# Altium PCB Altium.pcbdoc (part 2 of 2)
Units mil, origin at the board's own origin, x right, y up, seen from the top; angles counter-clockwise.
Board outline 3937.01 x 2047.24 mil, 2 copper layers (Top Layer, Bottom Layer), stack 62.206 mil thick; 34 components, 26 nets, 163 pads, 100 vias.
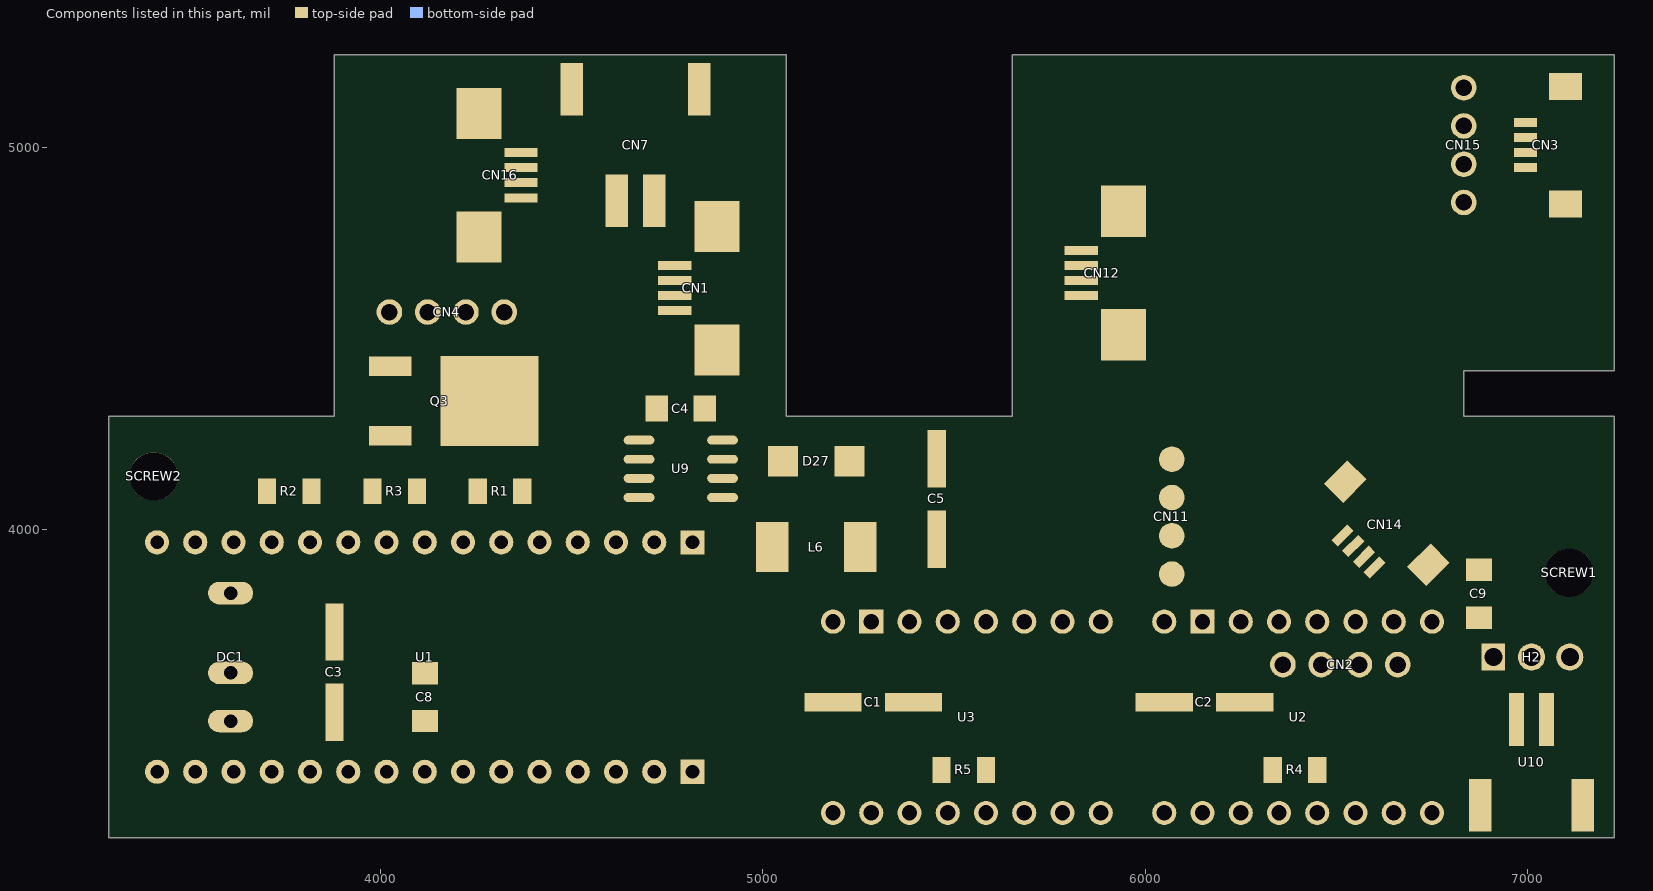
[diagram p2: the components of this part, seen from the top]

## Other copper (continued)
Bottom Layer:
  region net D8/EN: 3854.16,3944.19 3840.02,3930.05 3838.65,3931.31 3837.27,3932.37 3835.87,3933.25 3834.45,3933.96 3831.55,3934.96 3828.53,3935.52 3825.38,3935.76 3822.05,3935.83 3814.8,3936.01 3848.21,3969.41 3848.38,3962.16 3848.45,3958.84 3848.7,3955.68 3849.25,3952.66 3850.25,3949.76 3850.97,3948.34 3851.84,3946.94 3852.9,3945.56
  region net D8/EN: 3806.77,4010.32 3826.77,4010.32 3826.85,4008.46 3827.08,4006.73 3827.45,4005.12 3827.94,4003.62 3829.29,4000.86 3831.03,3998.33 3833.09,3995.93 3835.39,3993.53 3840.39,3988.27 3793.15,3988.27 3798.15,3993.53 3800.45,3995.93 3802.51,3998.33 3804.26,4000.86 3805.6,4003.62 3806.1,4005.12 3806.47,4006.73 3806.69,4008.46
  region net D6/Y-DIR: 4052.68,3936.4 4031.59,3929.21 4028.77,3931.68 4026.14,3933.33 4023.59,3934.37 4021.01,3934.98 4015.34,3935.72 4012.04,3936.23 4008.3,3937.11 4047.93,3962.83 4047.45,3959.26 4047.13,3955.66 4047.04,3952.1 4047.25,3948.6 4047.84,3945.24 4048.9,3942.05 4049.62,3940.54 4050.48,3939.09 4051.5,3937.71
  region net D5/X-DIR: 4154.16,3944.19 4140.02,3930.05 4138.65,3931.31 4137.27,3932.37 4135.87,3933.25 4134.45,3933.96 4131.55,3934.96 4128.53,3935.52 4125.38,3935.76 4122.05,3935.83 4114.8,3936.01 4148.21,3969.41 4148.38,3962.16 4148.45,3958.84 4148.7,3955.68 4149.25,3952.66 4150.25,3949.76 4150.97,3948.34 4151.84,3946.94 4152.9,3945.56
  region net 5V: 6240.24,3302.84 6260.24,3302.84 6260.31,3300.98 6260.54,3299.25 6260.91,3297.64 6261.41,3296.14 6262.75,3293.38 6264.49,3290.85 6266.56,3288.45 6268.86,3286.05 6273.86,3280.79 6226.61,3280.79 6231.62,3286.05 6233.92,3288.45 6235.98,3290.85 6237.72,3293.38 6239.07,3296.14 6239.56,3297.64 6239.93,3299.25 6240.16,3300.98
  region net 5V: 6687.63,3736.71 6673.49,3722.57 6672.12,3723.83 6670.73,3724.89 6669.34,3725.77 6667.92,3726.48 6665.02,3727.48 6662,3728.04 6658.84,3728.28 6655.52,3728.35 6648.26,3728.53 6681.67,3761.93 6681.85,3754.68 6681.92,3751.36 6682.16,3748.2 6682.71,3745.18 6683.72,3742.28 6684.43,3740.86 6685.31,3739.46 6686.37,3738.08
  region net $1N39467: 6540.24,3802.84 6560.24,3802.84 6560.31,3800.98 6560.54,3799.25 6560.91,3797.64 6561.41,3796.14 6562.75,3793.38 6564.49,3790.85 6566.56,3788.45 6568.86,3786.05 6573.86,3780.79 6526.61,3780.79 6531.62,3786.05 6533.92,3788.45 6535.98,3790.85 6537.72,3793.38 6539.07,3796.14 6539.56,3797.64 6539.93,3799.25 6540.16,3800.98
  region net $1N39467: 6587.37,3735 6571.75,3722.34 6570.37,3723.61 6568.98,3724.69 6567.6,3725.57 6566.21,3726.29 6563.37,3727.29 6560.44,3727.85 6557.37,3728.11 6554.11,3728.23 6550.63,3728.36 6546.88,3728.64 6581.73,3760.54 6581.68,3753.28 6581.7,3749.9 6581.93,3746.66 6582.48,3743.56 6583.49,3740.59 6584.2,3739.15 6585.07,3737.74 6586.12,3736.36
  region net $1N39468: 6440.24,3802.84 6460.24,3802.84 6460.31,3800.98 6460.54,3799.25 6460.91,3797.64 6461.41,3796.14 6462.75,3793.38 6464.49,3790.85 6466.56,3788.45 6468.86,3786.05 6473.86,3780.79 6426.61,3780.79 6431.62,3786.05 6433.92,3788.45 6435.98,3790.85 6437.72,3793.38 6439.07,3796.14 6439.56,3797.64 6439.93,3799.25 6440.16,3800.98
  region net $1N39468: 6487.37,3735 6471.75,3722.34 6470.37,3723.61 6468.98,3724.69 6467.6,3725.57 6466.21,3726.29 6463.37,3727.29 6460.44,3727.85 6457.37,3728.11 6454.11,3728.23 6450.63,3728.36 6446.88,3728.64 6481.73,3760.54 6481.68,3753.28 6481.7,3749.9 6481.93,3746.66 6482.48,3743.56 6483.49,3740.59 6484.2,3739.15 6485.07,3737.74 6486.12,3736.36
  region net $1N39470: 6340.24,3802.84 6360.24,3802.84 6360.31,3800.98 6360.54,3799.25 6360.91,3797.64 6361.41,3796.14 6362.75,3793.38 6364.49,3790.85 6366.56,3788.45 6368.86,3786.05 6373.86,3780.79 6326.61,3780.79 6331.62,3786.05 6333.92,3788.45 6335.98,3790.85 6337.72,3793.38 6339.07,3796.14 6339.56,3797.64 6339.93,3799.25 6340.16,3800.98
  region net $1N39470: 6387.37,3735 6371.75,3722.34 6370.37,3723.61 6368.98,3724.69 6367.6,3725.57 6366.21,3726.29 6363.37,3727.29 6360.44,3727.85 6357.37,3728.11 6354.11,3728.23 6350.63,3728.36 6346.88,3728.64 6381.73,3760.54 6381.68,3753.28 6381.7,3749.9 6381.93,3746.66 6382.48,3743.56 6383.49,3740.59 6384.2,3739.15 6385.07,3737.74 6386.12,3736.36
  region net $1N39469: 6240.24,3802.84 6260.24,3802.84 6260.31,3800.98 6260.54,3799.25 6260.91,3797.64 6261.41,3796.14 6262.75,3793.38 6264.49,3790.85 6266.56,3788.45 6268.86,3786.05 6273.86,3780.79 6226.61,3780.79 6231.62,3786.05 6233.92,3788.45 6235.98,3790.85 6237.72,3793.38 6239.07,3796.14 6239.56,3797.64 6239.93,3799.25 6240.16,3800.98
  region net $1N39469: 6287.37,3735 6271.75,3722.34 6270.37,3723.61 6268.98,3724.69 6267.6,3725.57 6266.21,3726.29 6263.37,3727.29 6260.44,3727.85 6257.37,3728.11 6254.11,3728.23 6250.63,3728.36 6246.88,3728.64 6281.73,3760.54 6281.68,3753.28 6281.7,3749.9 6281.93,3746.66 6282.48,3743.56 6283.49,3740.59 6284.2,3739.15 6285.07,3737.74 6286.12,3736.36
  region net 5V: 5374.09,3302.84 5394.09,3302.84 5394.17,3300.98 5394.4,3299.25 5394.77,3297.64 5395.27,3296.14 5396.61,3293.38 5398.35,3290.85 5400.41,3288.45 5402.71,3286.05 5407.72,3280.79 5360.47,3280.79 5365.47,3286.05 5367.78,3288.45 5369.84,3290.85 5371.58,3293.38 5372.92,3296.14 5373.42,3297.64 5373.79,3299.25 5374.02,3300.98
  region net D8/EN: 5207.34,3297.35 5221.49,3283.21 5220.23,3281.84 5219.17,3280.46 5218.29,3279.06 5217.57,3277.64 5216.57,3274.74 5216.02,3271.72 5215.78,3268.57 5215.71,3265.24 5215.53,3257.99 5182.12,3291.39 5189.37,3291.57 5192.7,3291.64 5195.86,3291.88 5198.87,3292.44 5201.78,3293.44 5203.19,3294.15 5204.59,3295.03 5205.97,3296.09
  region net D8/EN: 5146.7,3283.21 5160.84,3297.35 5162.22,3296.09 5163.6,3295.03 5165,3294.15 5166.41,3293.44 5169.32,3292.44 5172.33,3291.88 5175.49,3291.64 5178.81,3291.57 5186.07,3291.39 5152.66,3257.99 5152.48,3265.24 5152.41,3268.57 5152.17,3271.72 5151.62,3274.74 5150.61,3277.64 5149.9,3279.06 5149.02,3280.46 5147.96,3281.84
  region net 5V: 5821.49,3736.71 5807.34,3722.57 5805.97,3723.83 5804.59,3724.89 5803.19,3725.77 5801.78,3726.48 5798.87,3727.48 5795.86,3728.04 5792.7,3728.28 5789.37,3728.35 5782.12,3728.53 5815.53,3761.93 5815.71,3754.68 5815.78,3751.36 5816.02,3748.2 5816.57,3745.18 5817.57,3742.28 5818.29,3740.86 5819.17,3739.46 5820.23,3738.08
  region net $1N38618: 5674.09,3802.84 5694.09,3802.84 5694.17,3800.98 5694.4,3799.25 5694.77,3797.64 5695.27,3796.14 5696.61,3793.38 5698.35,3790.85 5700.41,3788.45 5702.71,3786.05 5707.72,3780.79 5660.47,3780.79 5665.47,3786.05 5667.78,3788.45 5669.84,3790.85 5671.58,3793.38 5672.92,3796.14 5673.42,3797.64 5673.79,3799.25 5674.02,3800.98
  region net $1N38619: 5574.09,3802.84 5594.09,3802.84 5594.17,3800.98 5594.4,3799.25 5594.77,3797.64 5595.27,3796.14 5596.61,3793.38 5598.35,3790.85 5600.41,3788.45 5602.71,3786.05 5607.72,3780.79 5560.47,3780.79 5565.47,3786.05 5567.78,3788.45 5569.84,3790.85 5571.58,3793.38 5572.92,3796.14 5573.42,3797.64 5573.79,3799.25 5574.02,3800.98
  region net $1N38620: 5474.09,3802.84 5494.09,3802.84 5494.17,3800.98 5494.4,3799.25 5494.77,3797.64 5495.27,3796.14 5496.61,3793.38 5498.35,3790.85 5500.41,3788.45 5502.71,3786.05 5507.72,3780.79 5460.47,3780.79 5465.47,3786.05 5467.78,3788.45 5469.84,3790.85 5471.58,3793.38 5472.92,3796.14 5473.42,3797.64 5473.79,3799.25 5474.02,3800.98
  region net $1N38622: 5374.09,3802.84 5394.09,3802.84 5394.17,3800.98 5394.4,3799.25 5394.77,3797.64 5395.27,3796.14 5396.61,3793.38 5398.35,3790.85 5400.41,3788.45 5402.71,3786.05 5407.72,3780.79 5360.47,3780.79 5365.47,3786.05 5367.78,3788.45 5369.84,3790.85 5371.58,3793.38 5372.92,3796.14 5373.42,3797.64 5373.79,3799.25 5374.02,3800.98
  region net $1N39469: 6321.19,3672.9 6335.33,3687.04 6336.84,3685.65 6338.35,3684.5 6339.86,3683.56 6341.39,3682.82 6342.93,3682.24 6344.49,3681.82 6347.7,3681.34 6351.07,3681.2 6354.64,3681.24 6358.46,3681.28 6362.57,3681.15 6327.07,3645.66 6326.95,3649.77 6326.99,3653.59 6327.02,3657.16 6326.89,3660.53 6326.41,3663.74 6325.98,3665.3 6325.41,3666.84 6324.66,3668.37 6323.73,3669.88 6322.57,3671.39
  region net $1N39470: 6421.19,3672.9 6435.33,3687.04 6436.84,3685.65 6438.35,3684.5 6439.86,3683.56 6441.39,3682.82 6442.93,3682.24 6444.49,3681.82 6447.7,3681.34 6451.07,3681.2 6454.64,3681.24 6458.46,3681.28 6462.57,3681.15 6427.07,3645.66 6426.95,3649.77 6426.99,3653.59 6427.02,3657.16 6426.89,3660.53 6426.41,3663.74 6425.98,3665.3 6425.41,3666.84 6424.66,3668.37 6423.73,3669.88 6422.57,3671.39
  region net $1N39468: 6521.19,3672.9 6535.33,3687.04 6536.84,3685.65 6538.35,3684.5 6539.86,3683.56 6541.39,3682.82 6542.93,3682.24 6544.49,3681.82 6547.7,3681.34 6551.07,3681.2 6554.64,3681.24 6558.46,3681.28 6562.57,3681.15 6527.07,3645.66 6526.95,3649.77 6526.99,3653.59 6527.02,3657.16 6526.89,3660.53 6526.41,3663.74 6525.98,3665.3 6525.41,3666.84 6524.66,3668.37 6523.73,3669.88 6522.57,3671.39
  region net $1N39467: 6621.19,3672.9 6635.33,3687.04 6636.84,3685.65 6638.35,3684.5 6639.86,3683.56 6641.39,3682.82 6642.93,3682.24 6644.49,3681.82 6647.7,3681.34 6651.07,3681.2 6654.64,3681.24 6658.46,3681.28 6662.57,3681.15 6627.07,3645.66 6626.95,3649.77 6626.99,3653.59 6627.02,3657.16 6626.89,3660.53 6626.41,3663.74 6625.98,3665.3 6625.41,3666.84 6624.66,3668.37 6623.73,3669.88 6622.57,3671.39
  region net $1N38622: 3985.08,4594.59 3999.23,4608.74 4000.74,4607.35 4002.25,4606.19 4003.76,4605.26 4005.28,4604.51 4006.83,4603.94 4008.39,4603.51 4011.6,4603.03 4014.97,4602.9 4018.54,4602.93 4022.36,4602.97 4026.47,4602.85 3990.97,4567.35 3990.84,4571.46 3990.88,4575.28 3990.92,4578.85 3990.79,4582.22 3990.3,4585.43 3989.88,4586.99 3989.31,4588.53 3988.56,4590.06 3987.62,4591.57 3986.47,4593.08
  region net $1N38622: 4063.66,4544.3 4049.51,4530.16 4048,4531.55 4046.49,4532.7 4044.98,4533.64 4043.46,4534.39 4041.91,4534.96 4040.35,4535.38 4037.14,4535.86 4033.77,4536 4030.2,4535.96 4026.38,4535.92 4022.27,4536.05 4057.77,4571.54 4057.9,4567.43 4057.86,4563.62 4057.82,4560.05 4057.95,4556.68 4058.44,4553.47 4058.86,4551.9 4059.43,4550.36 4060.18,4548.84 4061.12,4547.32 4062.27,4545.81
  region net $1N38620: 4085.08,4594.59 4099.23,4608.74 4100.74,4607.35 4102.25,4606.19 4103.76,4605.26 4105.28,4604.51 4106.83,4603.94 4108.39,4603.51 4111.6,4603.03 4114.97,4602.9 4118.54,4602.93 4122.36,4602.97 4126.47,4602.85 4090.97,4567.35 4090.84,4571.46 4090.88,4575.28 4090.92,4578.85 4090.79,4582.22 4090.3,4585.43 4089.88,4586.99 4089.31,4588.53 4088.56,4590.06 4087.62,4591.57 4086.47,4593.08
  region net $1N38620: 4163.66,4544.3 4149.51,4530.16 4148,4531.55 4146.49,4532.7 4144.98,4533.64 4143.46,4534.39 4141.91,4534.96 4140.35,4535.38 4137.14,4535.86 4133.77,4536 4130.2,4535.96 4126.38,4535.92 4122.27,4536.05 4157.77,4571.54 4157.9,4567.43 4157.86,4563.62 4157.82,4560.05 4157.95,4556.68 4158.44,4553.47 4158.86,4551.9 4159.43,4550.36 4160.18,4548.84 4161.12,4547.32 4162.27,4545.81
  region net $1N38619: 4185.08,4594.59 4199.23,4608.74 4200.74,4607.35 4202.25,4606.19 4203.76,4605.26 4205.28,4604.51 4206.83,4603.94 4208.39,4603.51 4211.6,4603.03 4214.97,4602.9 4218.54,4602.93 4222.36,4602.97 4226.47,4602.85 4190.97,4567.35 4190.84,4571.46 4190.88,4575.28 4190.92,4578.85 4190.79,4582.22 4190.3,4585.43 4189.88,4586.99 4189.31,4588.53 4188.56,4590.06 4187.62,4591.57 4186.47,4593.08
  region net $1N38619: 4263.66,4544.3 4249.51,4530.16 4248,4531.55 4246.49,4532.7 4244.98,4533.64 4243.46,4534.39 4241.91,4534.96 4240.35,4535.38 4237.14,4535.86 4233.77,4536 4230.2,4535.96 4226.38,4535.92 4222.27,4536.05 4257.77,4571.54 4257.9,4567.43 4257.86,4563.62 4257.82,4560.05 4257.95,4556.68 4258.44,4553.47 4258.86,4551.9 4259.43,4550.36 4260.18,4548.84 4261.12,4547.32 4262.27,4545.81
  region net $1N38618: 4285.08,4594.59 4299.23,4608.74 4300.74,4607.35 4302.25,4606.19 4303.76,4605.26 4305.28,4604.51 4306.83,4603.94 4308.39,4603.51 4311.6,4603.03 4314.97,4602.9 4318.54,4602.93 4322.36,4602.97 4326.47,4602.85 4290.97,4567.35 4290.84,4571.46 4290.88,4575.28 4290.92,4578.85 4290.79,4582.22 4290.3,4585.43 4289.88,4586.99 4289.31,4588.53 4288.56,4590.06 4287.62,4591.57 4286.47,4593.08
  region net $1N38618: 4363.66,4544.3 4349.51,4530.16 4348,4531.55 4346.49,4532.7 4344.98,4533.64 4343.46,4534.39 4341.91,4534.96 4340.35,4535.38 4337.14,4535.86 4333.77,4536 4330.2,4535.96 4326.38,4535.92 4322.27,4536.05 4357.77,4571.54 4357.9,4567.43 4357.86,4563.62 4357.82,4560.05 4357.95,4556.68 4358.44,4553.47 4358.86,4551.9 4359.43,4550.36 4360.18,4548.84 4361.12,4547.32 4362.27,4545.81
  region net 5V: 7020.47,3619.2 7000.47,3619.2 7000.38,3621.44 7000.1,3623.48 6999.65,3625.34 6999.05,3627.04 6998.3,3628.61 6997.41,3630.08 6995.29,3632.78 6992.78,3635.33 6989.98,3637.93 6986.99,3640.75 6983.9,3644 7037.05,3644 7033.96,3640.75 7030.96,3637.93 7028.16,3635.33 7025.65,3632.78 7023.53,3630.08 7022.65,3628.61 7021.9,3627.04 7021.29,3625.34 7020.84,3623.48 7020.57,3621.44
  region net $1N40669: 6878.57,3621.4 6868.87,3639.98 ccw(c6826.44,3671.8) 6879.47,3671.8 6910.39,3632.01 ccw(c6910.39,3578.97)
  region net $1N39467: 4673.31,4701.06 4673.31,4681.06 4670.66,4680.98 4668.16,4680.75 4663.78,4680.06 4660.56,4679.37 4658.9,4679.06 4658.9,4703.07 4660.56,4702.76 4663.78,4702.07 4668.16,4701.38 4670.66,4701.15
  region net $1N39467: 4644.49,4681.06 4644.49,4701.06 4647.14,4701.15 4649.64,4701.38 4654.02,4702.07 4657.24,4702.76 4658.9,4703.07 4658.9,4679.06 4657.24,4679.37 4654.02,4680.06 4649.64,4680.75 4647.14,4680.98
  region net $1N39468: 4644.49,4641.69 4644.49,4661.69 4647.14,4661.78 4649.64,4662.01 4654.02,4662.7 4657.24,4663.39 4658.9,4663.7 4658.9,4639.69 4657.24,4640 4654.02,4640.69 4649.64,4641.38 4647.14,4641.61
  region net $1N39468: 4673.31,4661.69 4673.31,4641.69 4670.66,4641.61 4668.16,4641.38 4663.78,4640.69 4660.56,4640 4658.9,4639.69 4658.9,4663.7 4660.56,4663.39 4663.78,4662.7 4668.16,4662.01 4670.66,4661.78
  region net $1N39470: 4644.49,4602.32 4644.49,4622.32 4647.14,4622.41 4649.64,4622.64 4654.02,4623.33 4657.24,4624.02 4658.9,4624.33 4658.9,4600.31 4657.24,4600.63 4654.02,4601.32 4649.64,4602.01 4647.14,4602.24
  region net $1N39470: 4673.31,4622.32 4673.31,4602.32 4670.66,4602.24 4668.16,4602.01 4663.78,4601.32 4660.56,4600.63 4658.9,4600.31 4658.9,4624.33 4660.56,4624.02 4663.78,4623.33 4668.16,4622.64 4670.66,4622.41
  region net $1N39469: 4644.49,4562.96 4644.49,4582.96 4647.14,4583.05 4649.64,4583.28 4654.02,4583.97 4657.24,4584.66 4658.9,4584.97 4658.9,4560.95 4657.24,4561.27 4654.02,4561.96 4649.64,4562.65 4647.14,4562.88
  region net $1N39469: 4673.31,4582.96 4673.31,4562.96 4670.66,4562.88 4668.16,4562.65 4663.78,4561.96 4660.56,4561.27 4658.9,4560.95 4658.9,4584.97 4660.56,4584.66 4663.78,4583.97 4668.16,4583.28 4670.66,4583.05
  region net $1N39467: 4637.45,4701.06 4637.45,4681.06 4634.8,4680.98 4632.3,4680.75 4627.92,4680.06 4624.7,4679.37 4623.04,4679.06 4623.04,4703.07 4624.7,4702.76 4627.92,4702.07 4632.3,4701.38 4634.8,4701.15
  region net $1N39468: 4637.45,4661.69 4637.45,4641.69 4634.8,4641.61 4632.3,4641.38 4627.92,4640.69 4624.7,4640 4623.04,4639.69 4623.04,4663.7 4624.7,4663.39 4627.92,4662.7 4632.3,4662.01 4634.8,4661.78
  region net $1N39470: 4637.45,4622.32 4637.45,4602.32 4634.8,4602.24 4632.3,4602.01 4627.92,4601.32 4624.7,4600.63 4623.04,4600.31 4623.04,4624.33 4624.7,4624.02 4627.92,4623.33 4632.3,4622.64 4634.8,4622.41
  region net $1N39469: 4637.45,4582.96 4637.45,4562.96 4634.8,4562.88 4632.3,4562.65 4627.92,4561.96 4624.7,4561.27 4623.04,4560.95 4623.04,4584.97 4624.7,4584.66 4627.92,4583.97 4632.3,4583.28 4634.8,4583.05
  region net D8/EN: 4221.14,4106.91 4201.14,4106.91 4201.05,4109.56 4200.83,4112.06 4200.13,4116.44 4199.44,4119.66 4199.13,4121.32 4223.15,4121.32 4222.83,4119.66 4222.14,4116.44 4221.45,4112.06 4221.23,4109.56
  region net D8/EN: 4208.02,4104.06 4193.88,4118.2 4195.69,4120.13 4197.3,4122.06 4199.91,4125.65 4201.7,4128.41 4202.65,4129.81 4219.63,4112.83 4218.23,4111.88 4215.47,4110.09 4211.88,4107.48 4209.95,4105.87
  region net D8/EN: 4193.88,4086.94 4208.02,4101.08 4209.95,4099.27 4211.88,4097.66 4215.47,4095.05 4218.23,4093.26 4219.63,4092.31 4202.65,4075.33 4201.7,4076.72 4199.91,4079.49 4197.3,4083.07 4195.69,4085
  region net D8/EN: 4201.14,4098.23 4221.14,4098.23 4221.23,4095.58 4221.45,4093.08 4222.14,4088.7 4222.83,4085.48 4223.15,4083.82 4199.13,4083.82 4199.44,4085.48 4200.13,4088.7 4200.83,4093.08 4201.05,4095.58
  region net $1N38622: 4065.59,4976.33 4065.59,4996.33 4068.24,4996.41 4070.74,4996.64 4075.12,4997.33 4078.34,4998.02 4080,4998.34 4080,4974.32 4078.34,4974.63 4075.12,4975.32 4070.74,4976.01 4068.24,4976.24
  region net $1N38620: 4094.95,4936.97 4094.95,4956.97 4097.59,4957.05 4100.1,4957.28 4104.48,4957.97 4107.69,4958.66 4109.35,4958.98 4109.35,4934.96 4107.69,4935.27 4104.48,4935.96 4100.1,4936.65 4097.59,4936.88
  region net $1N38619: 4076.88,4890.34 4062.74,4904.48 4064.55,4906.41 4066.16,4908.34 4068.77,4911.93 4070.56,4914.69 4071.51,4916.09 4088.49,4899.11 4087.1,4898.16 4084.33,4896.37 4080.75,4893.76 4078.81,4892.15
  region net $1N38619: 4094.41,4917.6 4094.41,4897.6 4091.76,4897.51 4089.26,4897.28 4084.88,4896.59 4081.66,4895.9 4080,4895.59 4080,4919.61 4081.66,4919.29 4084.88,4918.6 4089.26,4917.91 4091.76,4917.68
  region net $1N38619: 4124.3,4897.6 4124.3,4917.6 4126.95,4917.68 4129.45,4917.91 4133.83,4918.6 4137.05,4919.29 4138.71,4919.61 4138.71,4895.59 4137.05,4895.9 4133.83,4896.59 4129.45,4897.28 4126.95,4897.51
  region net $1N38618: 4153.65,4858.23 4153.65,4878.23 4156.3,4878.31 4158.8,4878.54 4163.19,4879.23 4166.4,4879.92 4168.06,4880.24 4168.06,4856.22 4166.4,4856.53 4163.19,4857.22 4158.8,4857.91 4156.3,4858.14
  region net $1N38618: 4106.24,4850.97 4092.09,4865.11 4093.91,4867.04 4095.51,4868.97 4098.12,4872.56 4099.91,4875.32 4100.86,4876.72 4117.85,4859.74 4116.45,4858.79 4113.69,4857 4110.1,4854.39 4108.17,4852.78
  region net $1N38618: 4123.76,4878.23 4123.76,4858.23 4121.12,4858.14 4118.61,4857.91 4114.23,4857.22 4111.01,4856.53 4109.35,4856.22 4109.35,4880.24 4111.01,4879.92 4114.23,4879.23 4118.61,4878.54 4121.12,4878.31
  region net $1N38620: 4047.53,4929.71 4033.39,4943.85 4035.2,4945.78 4036.81,4947.71 4039.42,4951.3 4041.2,4954.06 4042.15,4955.46 4059.14,4938.48 4057.74,4937.53 4054.98,4935.74 4051.39,4933.13 4049.46,4931.52
  region net $1N38620: 4065.05,4956.97 4065.05,4936.97 4062.41,4936.88 4059.9,4936.65 4055.52,4935.96 4052.31,4935.27 4050.65,4934.96 4050.65,4958.98 4052.31,4958.66 4055.52,4957.97 4059.9,4957.28 4062.41,4957.05
  region net $1N38622: 4019.39,4969.07 4004.03,4981.99 4005.68,4983.78 4006.82,4985.31 4007.63,4986.67 4008.27,4987.96 4009.64,4990.67 4010.69,4992.28 4012.21,4994.19 4030.37,4978.47 4028.75,4976.71 4027.38,4975.41 4025.02,4973.64 4022.6,4971.92 4021.14,4970.72
  region net $1N38622: 4035.7,4996.33 4035.7,4976.33 4033.05,4976.24 4030.55,4976.01 4026.17,4975.32 4022.95,4974.63 4021.29,4974.32 4021.29,4998.34 4022.95,4998.02 4026.17,4997.33 4030.55,4996.64 4033.05,4996.41
  region net $1N40669: 4562.09,4038.82 4562.09,4058.82 4564.74,4058.91 4567.24,4059.13 4571.62,4059.82 4574.84,4060.51 4576.5,4060.83 4576.5,4036.81 4574.84,4037.12 4571.62,4037.82 4567.24,4038.51 4564.74,4038.73
  region net $1N40669: 4590.91,4058.82 4590.91,4038.82 4588.26,4038.73 4585.76,4038.51 4581.38,4037.82 4578.16,4037.12 4576.5,4036.81 4576.5,4060.83 4578.16,4060.51 4581.38,4059.82 4585.76,4059.13 4588.26,4058.91
  region net $1N40669: 4554.12,4058.82 4554.12,4038.82 4551.47,4038.73 4548.97,4038.51 4544.59,4037.82 4541.37,4037.12 4539.71,4036.81 4539.71,4060.83 4541.37,4060.51 4544.59,4059.82 4548.97,4059.13 4551.47,4058.91
  region net D6/Y-DIR: 5780.07,3449.61 5794.21,3463.75 5796.14,3461.94 5798.07,3460.33 5801.66,3457.72 5804.42,3455.93 5805.82,3454.98 5788.84,3438 5787.89,3439.39 5786.1,3442.16 5783.49,3445.74 5781.88,3447.68
  region net D6/Y-DIR: 5814.59,3443.37 5800.45,3429.23 5798.51,3431.04 5796.58,3432.65 5793,3435.26 5790.23,3437.05 5788.84,3438 5805.82,3454.98 5806.77,3453.59 5808.56,3450.82 5811.17,3447.24 5812.78,3445.3
  region net D6/Y-DIR: 5808.11,3421.57 5822.25,3435.71 5824.19,3433.9 5826.12,3432.29 5829.7,3429.68 5832.47,3427.89 5833.86,3426.94 5816.88,3409.96 5815.93,3411.35 5814.14,3414.12 5811.53,3417.7 5809.92,3419.63
  region net D5/X-DIR: 6644.25,3456.57 6658.4,3470.71 6660.33,3468.9 6662.26,3467.29 6665.85,3464.68 6668.61,3462.89 6670,3461.94 6653.02,3444.96 6652.07,3446.35 6650.28,3449.12 6647.67,3452.7 6646.06,3454.63
  region net D5/X-DIR: 6616.21,3484.61 6630.35,3498.75 6632.29,3496.94 6634.22,3495.33 6637.8,3492.72 6640.57,3490.93 6641.96,3489.98 6624.98,3473 6624.03,3474.39 6622.24,3477.16 6619.63,3480.74 6618.02,3482.68
  region net D5/X-DIR: 6650.73,3478.37 6636.59,3464.23 6634.66,3466.04 6632.73,3467.65 6629.14,3470.26 6626.38,3472.05 6624.98,3473 6641.96,3489.98 6642.91,3488.59 6644.7,3485.82 6647.31,3482.24 6648.92,3480.3
  region net D8/EN: 5922.11,3373.15 5922.11,3393.15 5924.75,3393.23 5927.26,3393.46 5931.64,3394.15 5934.86,3394.84 5936.52,3395.15 5936.52,3371.14 5934.86,3371.45 5931.64,3372.14 5927.26,3372.83 5924.75,3373.06
  region net D8/EN: 5950.92,3393.15 5950.92,3373.15 5948.28,3373.06 5945.77,3372.83 5941.39,3372.14 5938.18,3371.45 5936.52,3371.14 5936.52,3395.15 5938.18,3394.84 5941.39,3394.15 5945.77,3393.46 5948.28,3393.23
  region net D8/EN: 5959.92,3373.15 5959.92,3393.15 5962.56,3393.23 5965.07,3393.46 5969.45,3394.15 5972.67,3394.84 5974.33,3395.15 5974.33,3371.14 5972.67,3371.45 5969.45,3372.14 5965.07,3372.83 5962.56,3373.06
  region net D8/EN: 4204.07,4128.39 cw(c4127,4293.83) 4127,4111.32 4129.5,4091.32 cw(c4129.5,3893.22) 4204.07,4076.75 4218.21,4090.89 cw(c4229.89,4102.57) 4218.21,4114.25 4204.07,4128.39
  region net 5V: 6260.24,3259.96 cw(c6420.66,3259.96) 6279.81,3336.75 6265.66,3350.89 cw(c6250.24,3366.32) 6234.81,3350.89 6220.67,3336.75 cw(c6079.81,3259.96) 6240.24,3259.96 6260.24,3259.96
  region net 5V: 6243.17,3314.25 ccw(c6194.44,3265.53) 6203.59,3333.82 6227.74,3343.82 6271.88,3333.82 ccw(c6271.88,3311.55) 6257.31,3328.39 6243.17,3314.25
  region net 5V: 6243.17,3328.39 ccw(c6228.59,3311.55) 6228.59,3333.82 6272.74,3343.82 6296.88,3333.82 ccw(c6306.03,3265.53) 6257.31,3314.25 6243.17,3328.39

## Silkscreen, mask and mechanical layers (free items; w line width, h text height)
Top Silkscreen Layer:
  text "Y1" at 3960,5115 h120
  text "1mm-4P" at 6122.99,4772.99 h78.74
  text "1mm-4P" at 4067.01,4697.99 h78.74 r90
  text "1mm-4P" at 6907.99,4657.99 h78.74
  text "0.1U" at 4905,4280 h59.06
  text "SS34" at 5070,4230 h59.06
  text "30N3P" at 4500,4225 h70.87 r90
  text "Y2" at 6405,4170 h120
  text "1mm-4P" at 6772.99,4092.99 h78.74
  text "1509-5.0" at 4620,4055 h78.74 r90
  text "220UF" at 5415,3995 h59.06 r90
  text "68UH" at 4980,3755 h59.06
  text "0.1U" at 4065,3675 h59.06
  text "220UF" at 5210,3605 h59.06
  text "220UF" at 6080,3605 h59.06
  text "220UF" at 3830,3550 h59.06 r90
  text "5V风扇" at 6635,3230 h59.06
Bottom Silkscreen Layer:
  text "DC9-12V" at 4180,3755 h118.11
Top Solder Mask Layer:
  text "星光4N V6.45版本   流浪的星星" at 3345,3220 h78.74
Mechanical Layer:
  circle w0.5: c6481.46,5045.91 r59.06
  circle w0.5: c7030.16,4561.14 r49.21
  circle w0.5: c5849.06,5096.57 r49.21
  circle w0.5: c5754.57,4415.47 r11.81
  circle w0.5: c5675.83,4297.36 r11.81
  circle w0.5: c5754.57,4297.36 r11.81
  circle w0.5: c6730.94,4415.47 r11.81
  circle w0.5: c6809.69,4415.47 r11.81
  circle w0.5: c6730.94,4297.36 r11.81
  circle w0.5: c6809.69,4297.36 r11.81
  circle w0.5: c5675.83,4415.47 r11.81
  lines w0.1: 5778.19,4297.36 5778.19,4415.47 6707.32,4415.47 6707.32,4297.36 5778.19,4297.36

## Text inside footprints (layer, text, board x,y; h text height)
U1: Top Silkscreen Layer "D13" at 3438.34,3431.61 h39.37 r90; Top Silkscreen Layer "3V3" at 3538.34,3431.61 h39.37 r90; Top Silkscreen Layer "REF" at 3638.34,3431.61 h39.37 r90; Top Silkscreen Layer "A0" at 3738.34,3431.61 h39.37 r90; Top Silkscreen Layer "A1" at 3838.34,3431.61 h39.37 r90; Top Silkscreen Layer "A2" at 3938.34,3431.61 h39.37 r90; Top Silkscreen Layer "A3" at 4038.34,3431.61 h39.37 r90; Top Silkscreen Layer "A4" at 4138.34,3431.61 h39.37 r90; Top Silkscreen Layer "A5" at 4238.34,3431.61 h39.37 r90; Top Silkscreen Layer "A6" at 4338.34,3431.61 h39.37 r90; Top Silkscreen Layer "A7" at 4438.34,3431.61 h39.37 r90; Top Silkscreen Layer "5V" at 4538.34,3431.61 h39.37 r90; Top Silkscreen Layer "RST" at 4638.34,3431.61 h39.37 r90; Top Silkscreen Layer "GND" at 4738.34,3431.61 h39.37 r90; Top Silkscreen Layer "VIN" at 4838.34,3431.61 h39.37 r90; Top Silkscreen Layer "D12" at 3437.56,3820.94 h39.37 r90; Top Silkscreen Layer "D11" at 3537.56,3837.04 h39.37 r90; Top Silkscreen Layer "D10" at 3637.56,3820.94 h39.37 r90; Top Silkscreen Layer "D9" at 3737.56,3843.54 h39.37 r90; Top Silkscreen Layer "D8" at 3837.56,3841.74 h39.37 r90; Top Silkscreen Layer "D7" at 3937.56,3841.74 h39.37 r90; Top Silkscreen Layer "D6" at 4037.56,3843.54 h39.37 r90; Top Silkscreen Layer "D5" at 4137.56,3841.74 h39.37 r90; Top Silkscreen Layer "D4" at 4237.56,3839.94 h39.37 r90; Top Silkscreen Layer "D3" at 4337.56,3841.74 h39.37 r90; Top Silkscreen Layer "D2" at 4437.56,3841.74 h39.37 r90; Top Silkscreen Layer "GND" at 4537.56,3803.04 h39.37 r90; Top Silkscreen Layer "RST" at 4637.56,3804.84 h39.37 r90; Top Silkscreen Layer "RXD" at 4737.56,3804.84 h39.37 r90; Top Silkscreen Layer "TXD" at 4837.56,3804.84 h39.37 r90